# Altium PCB pcb.PcbDoc
Units mil, origin at the board's own origin, x right, y up, seen from the top; angles counter-clockwise.
Board outline 3549.24 x 3549.24 mil, 2 copper layers (Top Layer, Bottom Layer), stack 62.205 mil thick; 87 components, 75 nets, 293 pads, 45 vias.
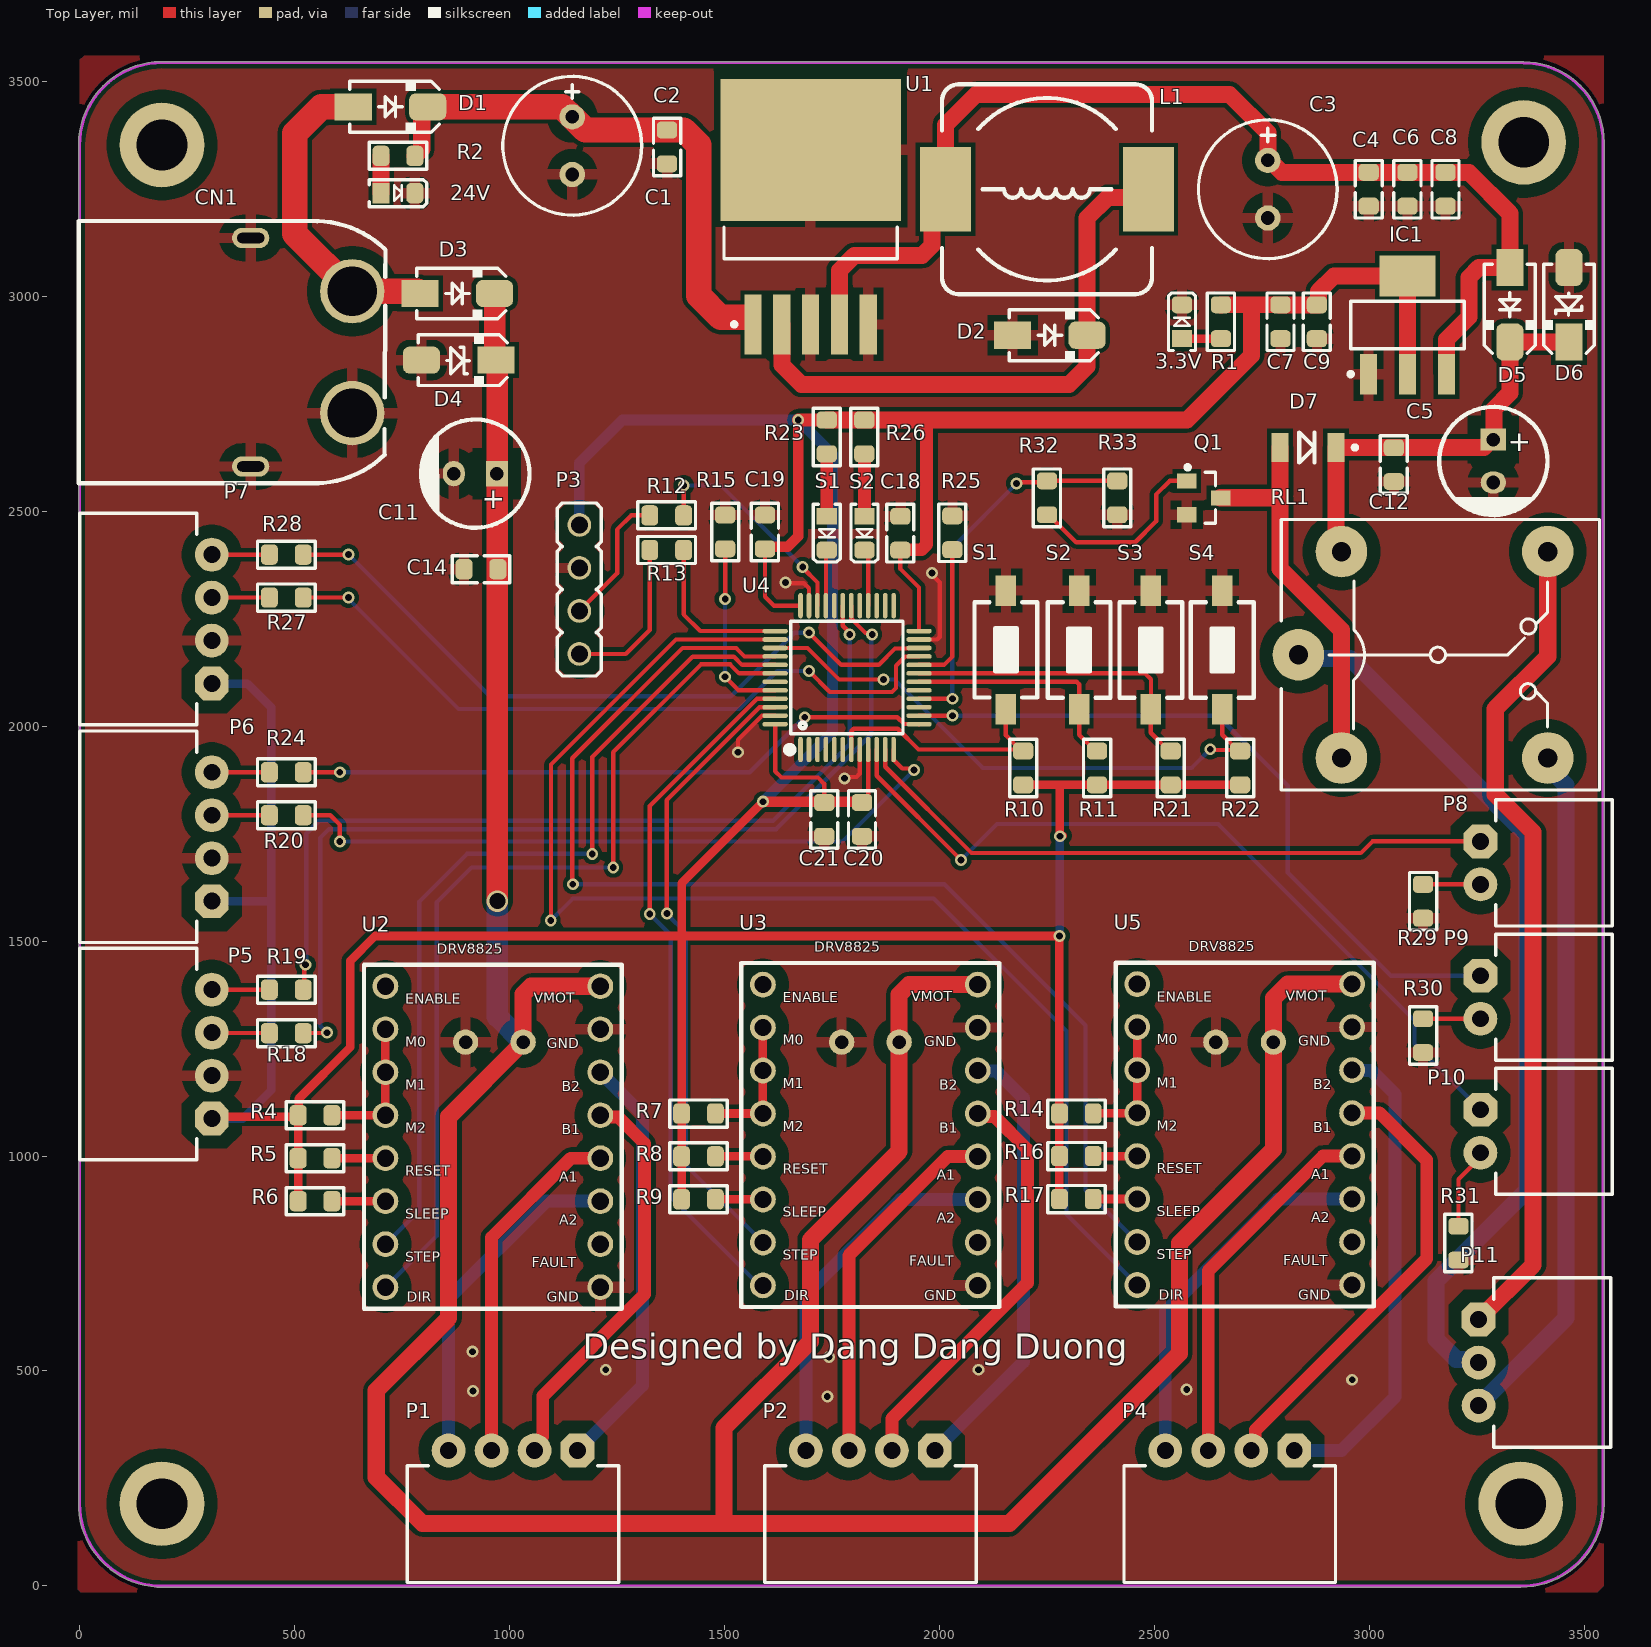
[diagram p0: Top Layer view]
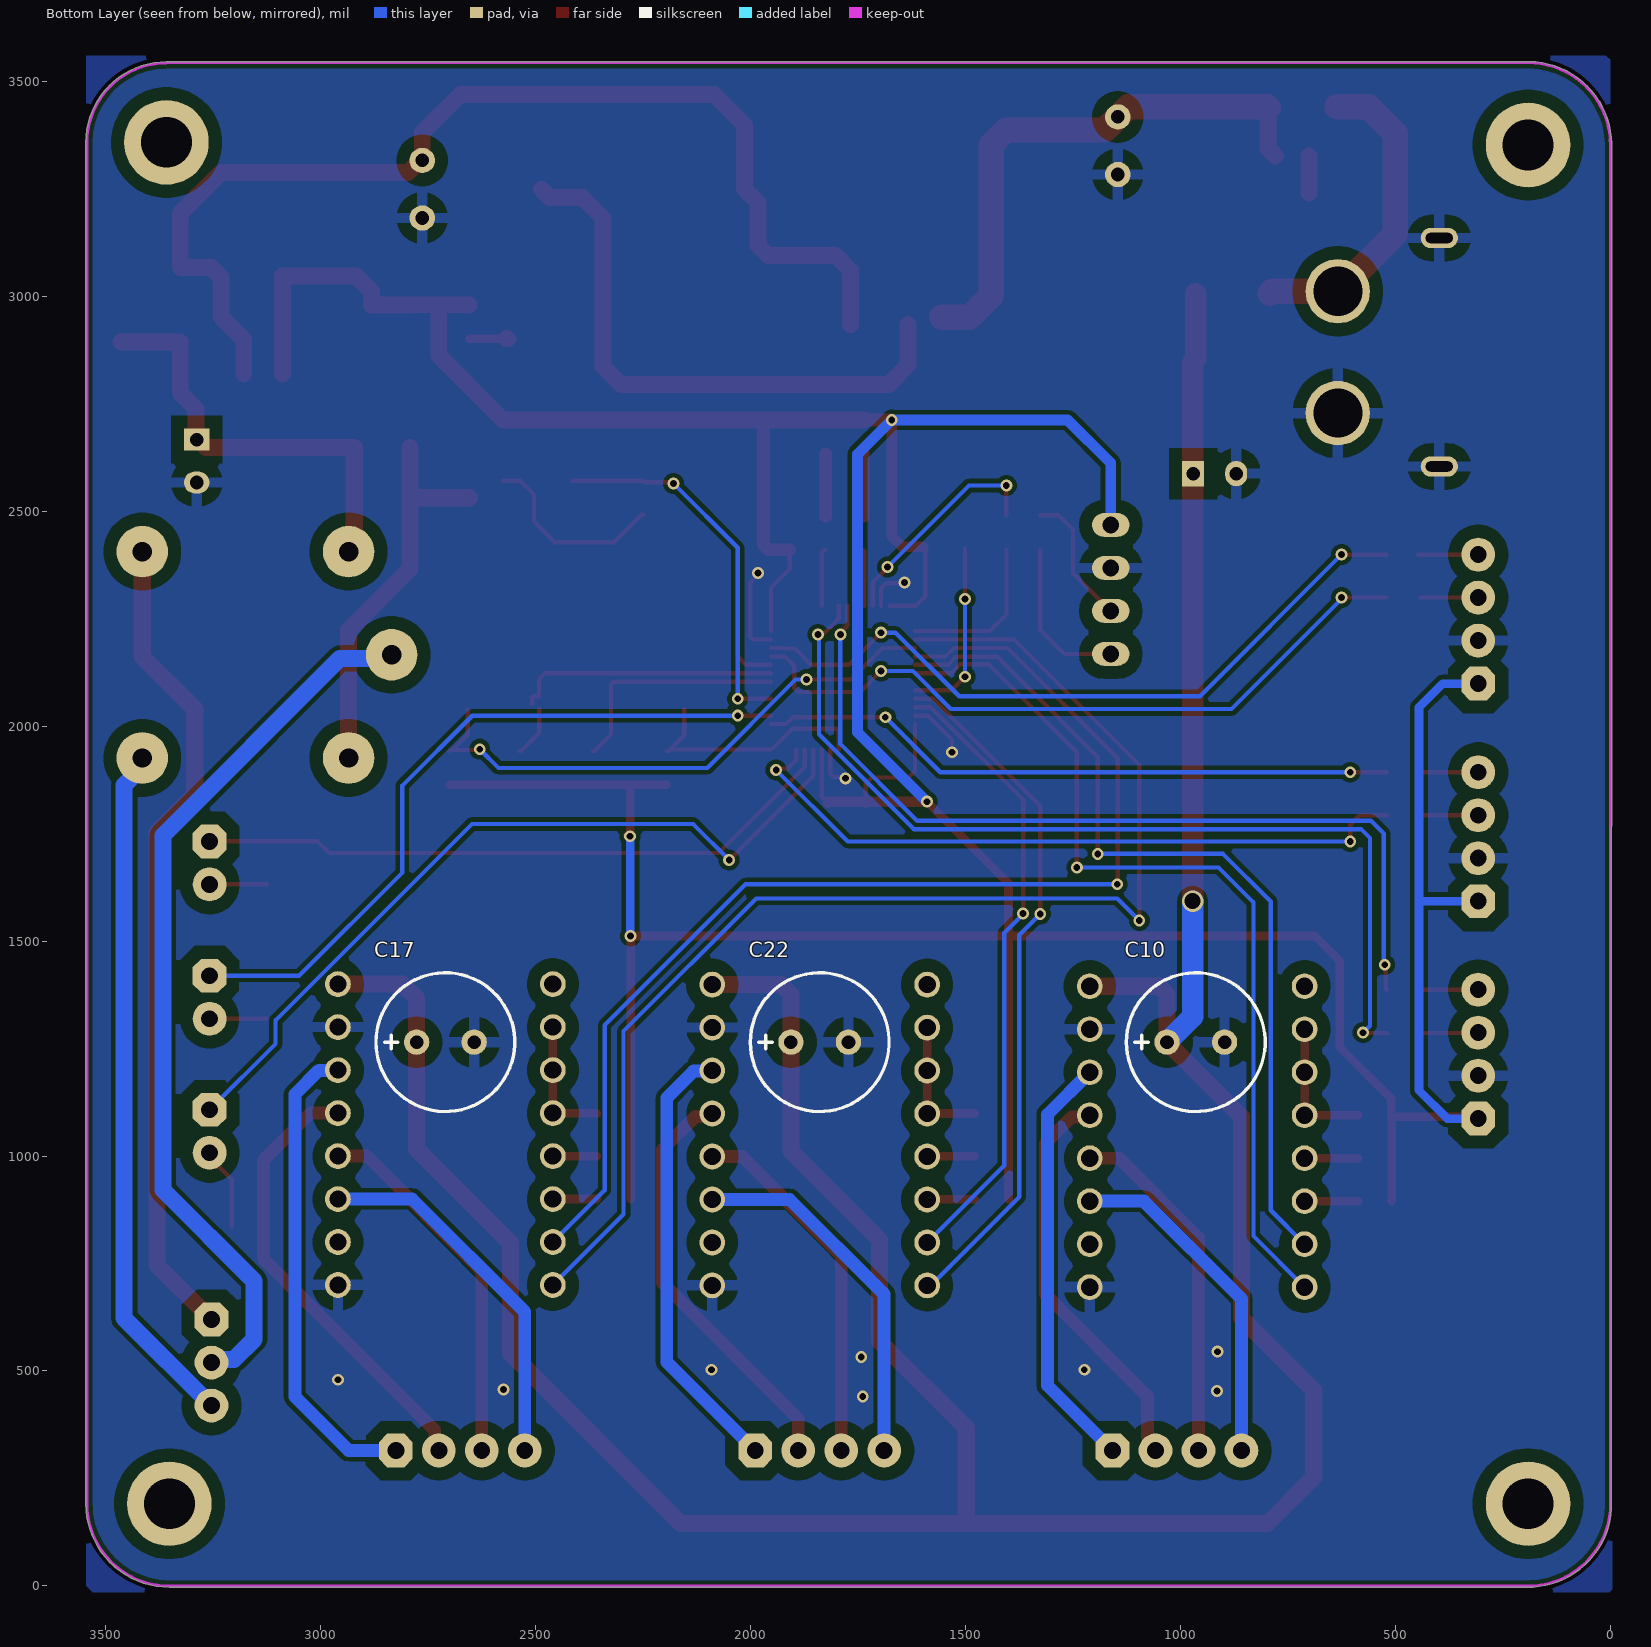
[diagram p1: Bottom Layer view, seen from below]

## Layer stack, top to bottom
Top Solder: solder mask 0.3937, Solder Resist, Dk 3.5
Top Layer: signal copper 1.378
Dielectric 1: dielectric 59.4488, FR-4, Dk 4.8
Bottom Layer: signal copper 1.378
Bottom Solder: solder mask 0.3937, Solder Resist, Dk 3.5

## Board outline
-2.69,179.85 ccw(c191.14,191.19) 179.76,-2.64 181.1,-2.97 3352.11,-2.97 ccw(c3352.11,191.2) 3546.27,191.2 3546.27,3358.27 ccw(c3359.01,3358.27) 3359.01,3545.54 191.25,3546.27 188.66,3546.26 ccw(c191.2,3352.11) -2.95,3354.64 -2.97,3354.33

## Design rules (kind name [scope] priority, off if disabled: settings)
Clearance [All] p1: gap=10 ignorepadtopadclearanceinfootprint=TRUE except(8: Track-Track Track-SMDPad Track-THPad; 30: THPad-Poly)
Height [All] p1: minheight=0 maxheight=1574.8 prefheight=500
HoleSize [All] p1: absolutevalues=TRUE maxlimit=236.22 minlimit=3.94 maxpercent=80.000 minpercent=20.000
MinimumSolderMaskSliver [All] p1: minsoldermaskwidth=1
PlaneConnect [All] p1: planeconnectstyle=Relief reliefexpansion=20 reliefentries=4 reliefconductorwidth=35 reliefairgap=10
PolygonConnect [All] p1: thpad.connectstyle=Relief thpad.reliefconductorwidth=25 thpad.reliefentries=4 thpad.polygonreliefangle="90 Angle" thpad.airgapwidth=30 smdpad.connectstyle=Relief smdpad.reliefconductorwidth=25 smdpad.reliefentries=4 smdpad.polygonreliefangle="90 Angle" smdpad.airgapwidth=15 via.connectstyle=Relief via.reliefconductorwidth=25 via.reliefentries=4 via.polygonreliefangle="90 Angle" via.airgapwidth=15
RoutingVias [All] p1: holewidth=15.75 width=27.56 viastyle="Through Hole" minholewidth=11.81 minwidth=23.62 maxholewidth=39.37 maxwidth=98.43
SilkToSilkClearance [All] p1: silktosilkclearance=1
SilkToSolderMaskClearance [IsPad] p1: minsilkscreentomaskgap=0 clearancetoexposedcopper=TRUE
SolderMaskExpansion [All] p1: expansion=4 istentingtop=FALSE
SupplyNets "Schematic Supply Nets_6" [InNet('3.3V')] p1: voltage=0.000
SupplyNets "Schematic Supply Nets_4" [InNet('GND')] p2: voltage=0.000
SupplyNets "Schematic Supply Nets_3" [InNet('5VS')] p3: voltage=0.000
SupplyNets "Schematic Supply Nets_2" [InNet('24VM')] p4: voltage=0.000
SupplyNets "Schematic Supply Nets_1" [InNet('5V')] p5: voltage=0.000
SupplyNets "Schematic Supply Nets" [InNet('24V')] p6: voltage=0.000
UnRoutedNet [All] p1: checkbadconnections=TRUE
Width [All] p1: maxlimit=100 minlimit=10 preferedwidth=20
23 further rules are at their usual default settings.

## Components (designator, comment, footprint, x,y, rotation, side; value= is the part's Value field where it differs from the comment)
3.3V "LED BLUE" "LED 0805 Blue" 2564.17,2940.94 r90 top
24V "LED RED" "LED 0805 Red" 740.16,3240.16 r0 top
C1 "470uF/35V" C8X12mm 1145.67,3350.39 r270 top
C2 "104" C_0805_SMD 1366.14,3347.64 r90 top
C3 "220uF/35V" C8X12mm 2763.78,3249.21 r270 top
C4 "104" C_0805_SMD 2998.46,3249.21 r90 top
C5 "100uF/35V" C_6.3x12 3288.53,2616.93 r270 top
C6 "104" C_0805_SMD 3088.58,3249.21 r90 top
C7 "104" C_0805_SMD 2793.3,2940.94 r90 top
C8 "10uF/25V" C_0805_SMD 3177.17,3249.21 r90 top
C9 "10uF/25V" C_0805_SMD 2877.95,2940.94 r90 top
C10 "470uF/35V" C8X12mm 964.29,1265 r180 bottom
C11 "100uF/35V" C_6.3x12 920.17,2587.63 r180 top
C12 "104" C_0805_SMD 3057.09,2608.48 r270 top
C14 "104" C_0805_SMD 933.15,2365.21 r180 top
C17 "470uF/35V" C8X12mm 2710,1265 r180 bottom
C18 "104" C_0805_SMD 1909.02,2449.05 r270 top
C19 "104" C_0805_SMD 1593.95,2451.99 r270 top
C20 "104" C_0805_SMD 1819.74,1783.23 r90 top
C21 "104" C_0805_SMD 1731.95,1783.23 r90 top
C22 "470uF/35V" C8X12mm 1839.13,1265 r180 bottom
CN1 "XT60PW-M" CONN-TH_XT60PW-M 354.32,2870.08 r0 top
D1 "SS34" D_SMA 722.68,3440.94 r0 top
D2 "SS34" D_SMA 2256.65,2909.58 r0 top
D3 "SS34" D_SMA 878.22,3006.55 r0 top
D4 "SMAJ24A" DO_241AC_SMA_MFG 881.45,2851.65 r180 top
D5 "SS34" D_SMA 3326.77,2980.45 r270 top
D6 "SMAJ24A" DO_241AC_SMA_MFG 3464.57,2980.32 r90 top
D7 "LL4148" SOD80C_MFG 2857.21,2648.43 r180 top
IC1 "AMS1117" SOT223-4N 3088.58,2933.2 r90 top
L1 "68uH" CDRH127 2250.15,3249.21 r180 top
P1 "XH2.54 4P" XH2.54_4P_RA 1007.99,314.96 r180 top
P2 "XH2.54 4P" XH2.54_4P_RA 1839.13,314.96 r180 top
P3 "HDR-M-4P" HDR_M_1X4 1162.08,2318.11 r90 top
P4 "XH2.54 4P" XH2.54_4P_RA 2675.31,314.96 r180 top
P5 "XH2.54 4P" XH2.54_4P_RA 307.09,1237.11 r90 top
P6 "XH2.54 4P" XH2.54_4P_RA 307.09,1742.91 r90 top
P7 "XH2.54 4P" XH2.54_4P_RA 307.09,2249.21 r90 top
P8 "XH2.54 2P" XH2.54_2P_RA 3258.41,1632.09 r270 top
P9 "XH2.54 2P" XH2.54_2P_RA 3258.41,1319.49 r270 top
P10 "XH2.54 2P" XH2.54_2P_RA 3258.41,1007.71 r270 top
P11 "XH2.54 3P" XH2.54_3P_RA 3254.15,519.62 r270 top
Q1 "S8050" "SOT23_N NXP" 2614.66,2531.33 r0 top
R1 "2.2k" RES-SMD-0805 2654.72,2940.94 r90 top
R2 "10K" RES-SMD-0805 740.16,3326.77 r180 top
R4 "470R" RES-SMD-0805 547.37,1095.01 r180 top
R5 "10K" RES-SMD-0805 547.37,995.01 r180 top
R6 "10K" RES-SMD-0805 547.37,895.01 r180 top
R7 "470R" RES-SMD-0805 1439.37,1098.96 r180 top
R8 "10K" RES-SMD-0805 1439.37,999.28 r180 top
R9 "10K" RES-SMD-0805 1439.37,899.28 r180 top
R10 "4.7K" RES-SMD-0805 2194.81,1902.99 r90 top
R11 "4.7K" RES-SMD-0805 2366.63,1902.99 r90 top
R12 "47R" RES-SMD-0805 1365.36,2490.47 r0 top
R13 "47R" RES-SMD-0805 1365.36,2409.95 r0 top
R14 "470R" RES-SMD-0805 2318.43,1098.96 r180 top
R15 "4.7K" RES-SMD-0805 1501.36,2451.99 r270 top
R16 "10K" RES-SMD-0805 2318.43,1000 r180 top
R17 "10K" RES-SMD-0805 2318.43,900 r180 top
R18 "47R" RES-SMD-0805 480.44,1285.87 r0 top
R19 "47R" RES-SMD-0805 480.44,1387.11 r0 top
R20 "47R" RES-SMD-0805 480.44,1792.91 r0 top
R21 "4.7K" RES-SMD-0805 2538,1902.99 r90 top
R22 "4.7K" RES-SMD-0805 2699.57,1903 r90 top
R23 "2.2k" RES-SMD-0805 1737.74,2673.11 r270 top
R24 "47R" RES-SMD-0805 480.44,1892.91 r0 top
R25 "4.7K" RES-SMD-0805 2030,2450 r270 top
R26 "2.2k" RES-SMD-0805 1825,2673.11 r270 top
R27 "47R" RES-SMD-0805 480.44,2299.21 r0 top
R28 "47R" RES-SMD-0805 480.44,2399.21 r0 top
R29 "10K" RES-SMD-0805 3125.06,1592.72 r270 top
R30 "10K" RES-SMD-0805 3125.06,1280.12 r270 top
R31 "10K" RES-SMD-0805 3207.33,797.34 r270 top
R32 "2.2k" RES-SMD-0805 2250,2531.33 r90 top
R33 "10K" RES-SMD-0805 2413.54,2531.33 r90 top
RL1 "Relay 10A/24V" "Relay 5 pin 10A" 3125.07,2166.14 r180 top
S1 "SW-SMD" "SW-SMD 3x6 mm" 2154.47,2177.72 r90 top
S1 "LED GREEN" "LED 0805 Green" 1737.74,2449.05 r270 top
S2 "SW-SMD" "SW-SMD 3x6 mm" 2324.87,2177.17 r90 top
S2 "LED GREEN" "LED 0805 Green" 1825.53,2449.05 r270 top
S3 "SW-SMD" "SW-SMD 3x6 mm" 2491.56,2177.17 r90 top
S4 "SW-SMD" "SW-SMD 3x6 mm" 2657.81,2177.17 r90 top
U1 "LM2596HVS-5.0" TO-263-5 1700.21,3137.64 r0 top
U2 "DRV8825" DRV8825 960.98,1062.51 r0 top
U3 "DRV8825" DRV8825 1839.13,1066.46 r0 top
U4 "STM32F103C8T6" LQFP-48_L7.0-W7.0-P0.50-LS9.0-BL 1785,2113.11 r0 top
U5 "DRV8825" DRV8825 2710,1067.5 r0 top

## Footprints (in the part's own frame and the unit in brackets; to place one, negate y for a bottom-side part, rotate by r counter-clockwise, add the part's x,y. Pads: shape width x height; smd on the part's side, far side on the other; paste and mask are expansions set on the pad)
C8X12mm [mm] "Cap Elec, D8.0X12.0H pitch: 3.5mm, RB.14/.26, RB.15/.32"
  round 1.5 hole 0.8: 1(-1.7,0) 2(1.7,0)
  silkscreen extent -4.1,-4.1 4.1,4.1, body extent -3.99,-3.99 4,3.99, height 12.3
C_6.3x12 [mm] "pitch 2.5mm"
  rect 1.3x1.5 hole 0.8: 1(-1.27,0)
  oval 1.3x1.5 hole 0.8: 2(1.27,0)
  silkscreen extent -3.2,-3.2 3.2,3.2, body extent -3.15,-3.15 3.15,3.15, height 12.05
C_0805_SMD [mm]
  rrect50% 1x1.2 smd: 1(-1,0) 2(1,0)
  Top Layer pour cut-out: -0.5,0.8 0.5,0.8 0.5,-0.8 -0.5,-0.8
  silkscreen extent -1.7,-0.8 1.7,0.8, body extent -1,-0.63 1,0.62, height 1
CDRH127 [mm] "12*12*8mm"
  rect 3x5 smd: 1(-6,0) 2(6,0)
  silkscreen extent -6.2,-6.2 6.2,6.2, body extent -6,-6 6,6, height 7.8
CONN-TH_XT60PW-M [mm]
  round 3.8 hole 2.9 paste-2539.97 mask+0.05: 1(7.1,-3.6) 2(7.1,3.6)
  oval 2.2x1.2 hole 0.6 slot 1.6 at 0 deg paste-2539.97 mask+0.05: 3(1.1,6.75) 4(1.1,-6.75)
  silkscreen extent -9.07,-7.75 9.07,7.75, body extent -9.25,-7.75 8.95,7.75, height 8.4
D_SMA [mm] "SMA Molded Diode, 2-Leads, Body 4.3x2.7mm, SOD-128"
  rect 2.2x1.6 smd: 1(-2.2,0)
  rrect50% 2.2x1.6 smd: 2(2.2,0)
  silkscreen extent -2.4,-1.5 2.88,1.5, body extent -2.75,-1.4 2.75,1.4, height 2.6
DO_241AC_SMA_MFG [mm]
  rect 2.2x1.6 smd: 1(-2.2,0)
  rrect50% 2.2x1.6 smd: 2(2.2,0)
  silkscreen extent -2.88,-1.5 2.4,1.5, body extent -2.54,-1.29 2.54,1.29, height 2.65
DRV8825 [mil]
  round 60 hole 40 paste-99999 mask+10: 1(-250,332.5) 2(-250,232.5) 3(-250,132.5) 4(-250,32.5) 5(-250,-67.5) 6(-250,-167.5) 7(-250,-267.5) 8(-250,-367.5) 9(250,-367.5) 10(250,-267.5) 11(250,-167.5) 12(250,-67.5) 13(250,32.5) 14(250,132.5) 15(250,232.5) 16(250,332.5)
  silkscreen extent -300,-418 300,382
HDR_M_1X4 [mm] "Connector; Header; 2 Position"
  round 1.4 / inner round 1.4 / far side oval 1.4x2.2 hole 1 mask+0.1: 1(-3.81,0) 2(-1.27,0) 3(1.27,0) 4(3.81,0)
  silkscreen extent -5.11,-1.3 5.11,1.3, body extent -5.08,-1.25 4.98,1.25, height 8.72
"LED 0805 Blue" [mm]
  rect 1x1.2 smd: 1(-1,0)
  rrect50% 1x1.2 smd: 2(1,0)
  silkscreen extent -1.7,-0.8 1.7,0.8, body extent -1,-0.63 1,0.63, height 0.9
"LED 0805 Green" [mm]
  rect 1x1.2 smd: 1(-1,0)
  rrect50% 1x1.2 smd: 2(1,0)
  silkscreen extent -1.7,-0.8 1.7,0.8, body extent -1,-0.63 1,0.63, height 0.9
"LED 0805 Red" [mm]
  rect 1x1.2 smd: 1(-1,0)
  rrect50% 1x1.2 smd: 2(1,0)
  silkscreen extent -1.7,-0.8 1.7,0.8, body extent -1,-0.63 1,0.63, height 0.9
LQFP-48_L7.0-W7.0-P0.50-LS9.0-BL [mm]
  oval 0.27x1.5 smd paste+0 mask+0.05: 1(-2.75,-4.25) 2(-2.25,-4.25) 3(-1.75,-4.25) 4(-1.25,-4.25) 5(-0.75,-4.25) 6(-0.25,-4.25) 7(0.25,-4.25) 8(0.75,-4.25) 9(1.25,-4.25) 10(1.75,-4.25) 11(2.25,-4.25) 12(2.75,-4.25) 25(2.75,4.25) 26(2.25,4.25) 27(1.75,4.25) 28(1.25,4.25) 29(0.75,4.25) 30(0.25,4.25) 31(-0.25,4.25) 32(-0.75,4.25) 33(-1.25,4.25) 34(-1.75,4.25) 35(-2.25,4.25) 36(-2.75,4.25)
  oval 1.5x0.27 smd paste+0 mask+0.05: 13(4.25,-2.75) 14(4.25,-2.25) 15(4.25,-1.75) 16(4.25,-1.25) 17(4.25,-0.75) 18(4.25,-0.25) 19(4.25,0.25) 20(4.25,0.75) 21(4.25,1.25) 22(4.25,1.75) 23(4.25,2.25) 24(4.25,2.75) 37(-4.25,2.75) 38(-4.25,2.25) 39(-4.25,1.75) 40(-4.25,1.25) 41(-4.25,0.75) 42(-4.25,0.25) 43(-4.25,-0.25) 44(-4.25,-0.75) 45(-4.25,-1.25) 46(-4.25,-1.75) 47(-4.25,-2.25) 48(-4.25,-2.75)
  silkscreen extent -3.59,-4.46 3.3,3.34, body extent -4.5,-4.5 4.5,4.5, height 1.6
"Relay 5 pin 10A" [mil] "Relay SPDT, 5 pin, 10A,W 650mil, L 800mil, H 800mil"
  round 120 hole 45: 1(290,0) 2(-290,-240) 3(-290,240) 4(190,240) 5(190,-240)
  silkscreen extent -410,-315 330,315, body extent -414,-295 334,295, height 595
RES-SMD-0805 [mm]
  rrect50% 1x1.2 smd paste-0.1 mask+0.075: 1(-1,0) 2(1,0)
  Top Layer pour cut-out: -0.5,0.697 0.5,0.697 0.5,-0.713 -0.5,-0.713
  silkscreen extent -1.7,-0.8 1.7,0.8, body extent -1.15,-0.67 1.15,0.67, height 0.76
SOD80C_MFG [mm]
  rect 1x1.7 smd: 1(-1.65,0) 2(1.65,0)
  silkscreen extent -2.9,-0.89 0.51,0.89, body extent -1.75,-0.8 1.75,0.8, height 1.6
"SOT23_N NXP" [mil] "SOT23, 3-Leads, Body 3x1.4mm, Pitch 0.95mm, IPC Medium Density"
  rect 45x35 smd: 1(-39.37,39.37) 2(-39.37,-39.37) 3(39.37,0)
  silkscreen extent -42,-59 28,76, body extent -50,-59 50,59, height 39
SOT223-4N [mm] "SOT223, 4-Leads, Body 6.5x3.5mm, Pitch 2.3mm, Lead Span 7mm, IPC Medium Density"
  rect 2.4x1 smd: 1(-2.9,2.3) 2(-2.9,0) 3(-2.9,-2.3)
  rect 2.4x3.3 smd: 4(2.9,0)
  silkscreen extent -3.02,-3.35 1.4,3.47, body extent -3.39,-3.27 3.5,3.23, height 1.72
"SW-SMD 3x6 mm" [mm] "Switch SMD type"
  rect 1.8x1.2 smd: 1(-3.5,0) 2(3.5,0)
  silkscreen extent -2.82,-1.85 2.82,1.85, body extent -3.05,-1.85 3.05,1.85, height 2.5
TO-263-5 [mil]
  rect 40x140 smd paste+0 mask+0: 1(-134.02,-202.85) 2(-67.01,-202.85) 3(0,-202.85) 4(67.01,-202.85) 5(134.02,-202.85)
  rect 419.69x329.92 smd paste+0 mask+0: 3(0,202.85)
  silkscreen extent -201,-208 201,23, body extent -193,-231 193,343, height 166
XH2.54_2P_RA [mm]
  oct 2x2 hole 1: 1(-2.54,0)
  round 2 hole 1: 2(0,0)
  silkscreen extent -5,0.9 2.46,7.8, body extent -4.88,-0.34 2.34,7.7, height 5.84
XH2.54_3P_RA [mm]
  oct 2x2 hole 1: 1(-2.54,0)
  round 2 hole 1: 2(0,0) 3(2.54,0)
  silkscreen extent -5,0.9 5,7.8, body extent -4.88,-0.34 4.88,7.7, height 5.84
XH2.54_4P_RA [mm]
  oct 2x2 hole 1: 1(-3.81,0)
  round 2 hole 1: 2(-1.27,0) 3(1.27,0) 4(3.81,0)
  silkscreen extent -6.25,0.9 6.25,7.8, body extent -6.15,-0.34 6.15,7.7, height 5.84

## Part data
3.3V: library part "LED 0805 BLUE", "LED 0805 SMD BLUE", Code=8600-019, Designed by=TranLuyen
24V: library part "LED 0805 RED", "LED 0805 SMD RED", Code=8600-017, Designed by=TranLuyen
C1 C10 C17 C22: library part "Cap Pol 470uF/35V", "Polarized Capacitor (Axial) 470uF 35V", Code=1402-231
C2 C4 C6 C7 C12 C14 C18 C19 C20 C21: library part "Cap 0805 104 100nF", "Cap SMD 0805 104-100nF-0.1uF 50V", Code=1438-080
C3: library part "Cap Pol 220uF/35V", "Polarized Capacitor (Axial) 220uF 35V", Code=1402-228
C5 C11: library part "Cap Pol 100uF/35V", "Polarized Capacitor (Axial) 100uF 35V", Code=1402-225
C8 C9: library part "Cap 0805 10uF 25V", "Cap SMD 0805 10uF", Code=1436-100
D1 D2 D3 D5: library part SS34-SMA, "Surface-Mount Schottky Barrier Rectifier", Code=2005-008
D4 D6: library part "TVS SMAJ24A-DO241AC", "SMAJ Series 400W Surface Mount Uni-Directional TVS Diode - DO-214AC", Code=N/A, Designed by=TranLuyen
D7: "0.2A, 100V, SOD80", Code=2001-012, Designed by=Nhox
IC1: library part "AMS1117-3.3V SOT223", "SOT-223", Code=5102-034
L1: library part "IND CDRH127 1280-680 68uH", "CDRH127 Cuộn Cảm Dán SMD 1280-680 68uH 3.2A", Code=1522-003
P1 P2 P4 P5 P6 P7: library part XH2.54_4P_RA, "XH2.54 RA", Code=3509-012
P3: library part "HDR 2.54 M 4 Pin", "HDR 2.54 MALE", Code="3504-028 * 0.1"
P8 P9 P10: library part XH2.54_2P_RA, "XH2.54 RA", Code=3509-010
P11: library part XH2.54_3P_RA, "XH2.54 RA", Code=3509-011, Designed by=Nhox
Q1: library part "S8050 SOT-23", "J3Y-NPN SMD Transistor SOT23", Code=1701-070
R1 R23 R26 R32: library part "Res 2.2K 0805", "Resistor SMD 0805", Code=1024-094
R2 R5 R6 R8 R9 R16 R17 R29 R30 R31 R33: library part "Res 10k 0805", "Resistor SMD 0805", Code=1024-111
R4 R7 R14: library part "Res 470R 0805", "Resistor SMD 0805", Code=1024-078
R10 R11 R15 R21 R22 R25: library part "Res 4.7k 0805", "Resistor SMD 0805", Code=1024-103
R12 R13 R18 R19 R20 R24 R27 R28: library part "Res 47R 0805", "Resistor SMD 0805", Code=N/A, Designed by=Nhox
RL1: library part "Relay 24V 5 Pin 10A SLC", "Relay SPDT,10A - 24VDC 5 Pin SONGLE SLC", Code=2404-012
S1 S2 S3 S4: library part "SW2 SMD 3x6", "Button 3x6 mm x 2.5mm 2Pin SMD", Code=3606-006
S1 S2: library part "LED 0805 GREEN", "LED 0805 SMD GREEN", Code=8600-027, Designed by=TranLuyen
U1: "Vin 4.5-40VDC, Vout 5VDC, Iout MAX 3A", Code=5101-052

## Free pads (board coordinates)
  round 196.85 hole 118.11: 14(191.14,191.19) 14(191.2,3352.11) 14(3352.11,191.2) 14(3359.01,3358.27)

## Via types
v1: diameter 27.56, hole 15.75, Top Layer to Bottom Layer, tented both sides, 41 vias
v2: diameter 27.56, hole 15.75, Top Layer to Bottom Layer, 3 vias
v3: diameter 50, hole 37, Top Layer to Bottom Layer, tented both sides, 1 vias

## Nets (pads, with @x,y where several pads share a name; then routed paths per layer and width w, separated by ;. In a path a pad name is that pad's centre, name@x,y a point inside that pad or via, vN(x,y) a via of type N, cw(c..) or ccw(c..) an arc to the next point about the centre after c; other vN are vias at no path point)
3.3V: C7.2 C9.2 C18.2 C19.2 C20.2 C21.2 IC1.2 IC1.4 P3.4 P5.1 P6.1 P7.1 R1.2 R4.2 R5.2 R6.2 R7.2 R8.2 R9.2 R10.1 R11.1 R14.2 R16.2 R17.2 R21.1 R22.1 R23.1 R26.1 U4.9 U4.24 U4.36 U4.48 | length 11716.8
  Top Layer w10: C19.2@1598.63,2417.3 C19.2 1593.95,2301.38 1614.9,2280.43 U4.36 ; U4.48 1617.68,1895.16 1632.33,1880.51 1717.31,1880.51 1731.95,1865.87 1731.95,1824.51 C21.2 ; C20.2 1819.89,1822.6 1834.21,1836.91 U4.9 ; C18.2 1909.02,2365.98 1952.32,2322.68 U4.24
  Top Layer w20: P5.1 311.03,1091.06 504.05,1091.06 R4.2 ; R6.2 R5.2 R4.2 ; R9.2 R8.2 R7.2 1400,1512.05 ; v1@1590.2,1825 v1(1589.71,1824.51) 1400,1634.8 1400,1512.05 ; R10.1 2274.33,1863.63 ; R17.2 R16.2 R14.2 v1(2279.06,1512.05) 1400,1512.05 ; v1@2287.19,1745.3 2281.67,1745.3 v1(2280.22,1743.86) 2280.22,1857.74 2274.33,1863.63 ; R22.1 2274.33,1863.63 ; R4.2 509.5,1096.51 509.5,1133.46 629.6,1253.55 629.6,1454.6 687.05,1512.05 1400,1512.05
  Top Layer w25: v1(1589.71,1824.51) 1730.04,1824.51 C21.2 ; C19.2@1598.63,2417.3 1646.76,2417.3 1671.41,2441.95 v1(1671.41,2712.48) ; C21.2@1731.95,1824.51 1817.82,1824.51 C20.2
  Top Layer w30: v1(1671.41,2712.48) R23.1 ; C18.2 1909.95,2410.62 1958.28,2410.62 1970,2422.34 1970,2712.48
  Top Layer w39.37: R23.1 R26.1 1970,2712.48 2575.98,2712.48 2725.48,2861.98 2725.48,2980.45 ; R1.2 2654.85,2980.45 2725.48,2980.45 ; IC1.2 IC1.4 2917.45,3047.37 2881.89,3011.81 2881.89,2980.32 C9.2 C7.2 2791.4,2980.32 2791.27,2980.45 2725.48,2980.45
  Bottom Layer w20: P5.1 379.37,1087.11 445,1152.74 445,1592.91 ; P6.1 445,1592.91 ; P7.1 389.81,2099.21 445,2044.03 445,1592.91 ; v1(2279.06,1512.05) 2279.64,1512.63 2279.64,1743.28 v1(2280.22,1743.86)
  Bottom Layer w25: P3.4 1162.08,2612.08 1262.48,2712.48 v1(1671.41,2712.48) 1751.33,2632.56 1751.33,1986.12 v1@1590.2,1825
5V: C3.1 C4.2 C6.2 C8.2 D5.1 IC1.3 L1.2 U1.4 | length 2631.5
  Top Layer w39.37: U1.4 1767.21,3060.41 1801.81,3095 1959.76,3095 1982.83,3118.06 1982.83,3218.11 L1.2 2013.93,3398.93 2085,3470 2674.88,3470 2763.77,3381.1 C3.1 2769.1,3316.14 2796.66,3288.58 C4.2 C6.2 C8.2 3231.5,3288.58 3326.77,3193.31 D5.1 3254.57,3067.06 3231.5,3044 3231.5,2951.98 3179.13,2899.61 IC1.3
5VS: C5.1 C12.1 D5.2 D6.1 D7.1 RL1.5 | length 1001.7
  Top Layer w39.37: RL1.5@2922.17,2419.03 RL1.5 ; C5.1@3289.77,2666.93 3289.77,2737.97 3326.77,2774.97 D5.2 3326.84,2893.77 3464.5,2893.77 D6.1
  Top Layer w40: RL1.5@2922.17,2419.03 D7.1 3266.09,2648.43 3284.6,2666.93 C5.1
24V: CN1.2 D1.1 D3.1 | length 744.3
  Top Layer w59.06: D1.1 561.8,3440.94 500.12,3379.27 500.12,3145.55 CN1.2 786.35,3011.81 D3.1
24VM: C10.1 C11.1 C14.1 C17.1 C22.1 D3.2 D4.1 U2.16 U3.16 U5.16 | length 8004.2
  Top Layer w40: U2.16 1050.01,1395.01 1031.22,1376.22 C10.1 857.99,1091.77 857.99,622.99 689.77,454.77 689.77,252.51 797.19,145.08 1498.43,145.08 ; U3.16 1929.19,1398.96 1906.06,1375.83 C22.1 1906.06,1011.01 1700,804.95 1700,568.75 1498.43,367.18 1498.43,145.08 ; U5.16 2810,1400 2776.93,1366.93 C17.1 2776.93,1015.88 2558.17,797.13 2558.17,541.01 2162.24,145.08 1498.43,145.08
  Top Layer w50: D3.2 964.84,2854.87 971.69,2848.02 v3(971.69,1592.91)
  Bottom Layer w50: v3(971.69,1592.91) 971.69,1324.52 C10.1
CLK: R13.2 U4.37 | length 378.8
  Top Layer w10: R13.2 1404.74,2260.24 1443.59,2221.38 U4.37
DIO: R12.2 U4.34 | length 528.9
  Top Layer w10: R12.2 1404.87,2490.6 1404.87,2559.87 v1(1405,2560) ; v1(1681.69,2370.15) 1681.69,2368.67 1716.1,2334.26 U4.34
  Bottom Layer w10: v1(1405,2560) 1491.84,2560 v1(1681.69,2370.15)
DIR1: U2.8 U4.42 | length 2127.2
  Top Layer w10: v1(1240.98,1671.53) 1240.98,1939.73 1445.14,2143.89 1512.97,2143.89 1533.9,2122.95 U4.42
  Bottom Layer w10: U2.8 830.15,814.17 830.15,1590.15 911.53,1671.53 v1(1240.98,1671.53)
DIR2: U3.8 U4.45 | length 1624.1
  Top Layer w10: v1(1326,1563.39) 1326,1814.18 1575.6,2063.78 1617.56,2063.78 U4.45
  Bottom Layer w10: v1(1326,1563.39) 1375,1514.38 1375,905 1581.04,698.96 U3.8
DIR3: U4.38 U5.8 | length 3012.9
  Top Layer w10: v1(1095.65,1547.98) 1096.05,1548.38 1096.05,1910.72 1387.03,2201.69 U4.38
  Bottom Layer w10: v1(1095.65,1547.98) 1147.04,1599.37 1986.87,1599.37 2295.51,1290.72 2295.51,864.49 U5.8
ENDX: P8.1 U4.11 | length 1519.3
  Top Layer w10: U4.11 1873.7,1945.67 1873.7,1905.57 2074.26,1705 2980.37,1705 3007.46,1732.09 P8.1
ENDY: P9.1 U4.14 | length 1675.1
  Top Layer w10: U4.14 v1(2030,2024.53)
  Bottom Layer w10: v1(2030,2024.53) 2647.46,2024.53 2810.12,1861.86 2810.12,1659.73 3050.36,1419.49 P9.1
ENDZ: P10.1 U4.10 | length 1889
  Top Layer w10: U4.10 1853.9,1884.66 v2(2049.81,1688.75)
  Bottom Layer w10: v2(2049.81,1688.75) 2133.7,1772.64 2648.17,1772.64 3105.11,1315.7 3105.11,1261.01 P10.1
GND: 3.3V.2 24V.2 C1.2 C2.1 C3.2 C4.1 C5.2 C6.1 C7.1 C8.1 C9.1 C10.2 C11.2 C12.2 C14.2 C17.2 C18.1 C19.1 C20.1 C21.1 C22.2 CN1.1 CN1.3 CN1.4 D2.1 D4.2 D6.2 IC1.1 P3.3 P5.2 P6.2 P7.2 Q1.2 R15.1 R25.1 R29.2 R30.2 R31.2 R33.1 S1.2@2154.47,2315.52 S2.2@2324.87,2314.96 S3.2 S4.2 U1.3 U1.5 U2.9 U2.15 U3.9 U3.15 U4.8 U4.23 U4.35 U4.47 U5.9 U5.15 | length 542.5
  Top Layer w10: v1(1531.44,1939.57) 1531.44,1968.71 1587.14,2024.41 1617.56,2024.41 U4.47 ; v1@1643.34,2332.82 1684.35,2332.82 1696.42,2320.74 U4.35 ; v1(1779.14,1878.71) 1782.5,1882.07 1806.76,1882.07 1814.53,1889.85 U4.8 ; U4.23 1994.9,2201.69 2000.76,2207.54 2000.76,2334.23 1982.51,2352.49 v1(1982.51,2356.68)
  Top Layer w20: v1(1641.89,2334.26) v1@1643.34,2332.82
  other v1: 1739.13,440.76 914.73,453.26 2575,456.74 2960,479.77 1223.48,502.8 2090.61,502.8 1742.68,532.5 913.77,545
KEY1: R11.2 S2.1@2324.87,2039.37 U4.18 | length 549.6
  Top Layer w10: U4.18 2319.01,2103.27 2324.87,2097.41 2324.87,2039.37 2324.87,1980.18 2362.69,1942.36 R11.2
KEY2: R21.2 S3.1 U4.19 | length 737.2
  Top Layer w10: U4.19 2478.38,2122.95 2492.14,2109.18 2492.14,2069.8 2506.29,2069.8 2508.24,2067.86 2508.24,2053.71 S3.1@2510.18,2051.77 ; S3.1 2491.56,1984.86 2534.06,1942.36 R21.2
KEY3: R22.2 S4.1 U4.39 | length 1326.9
  Top Layer w10: U4.39 1693.06,2182.01 1766.48,2108.59 v1(1869.82,2108.59) ; v2(2630,1946.47) 2632.05,1944.42 R22.2@2693.58,1944.42 ; S4.1 2657.81,1980.19 R22.2@2693.58,1944.42 ; R22.2 2697.51,1944.42 R22.2@2693.58,1944.42
  Bottom Layer w10: v1(1869.82,2108.59) 1895.31,2108.59 2100.91,1902.99 2586.52,1902.99 v2(2630,1946.47)
Net3.3V_1: 3.3V.1 R1.1 | length 90.6
  Top Layer w20: 3.3V.1@2568.24,2901.49 R1.1@2654.72,2901.49
  Top Layer w39.37: 3.3V.1@2564.17,2901.36 2568.11,2901.36 3.3V.1@2568.24,2901.49
Net24V_1: 24V.1 R2.2 | length 86.6
  Top Layer w40: 24V.1 R2.2
NetC1_1: C1.1 C2.2 D1.2 R2.1 U1.1 | length 1287.7
  Top Layer w40: R2.1 795.51,3342.76 D1.2@795.51,3438.98
  Top Layer w59.06: D1.2@795.51,3438.98 797.48,3440.94 D1.2 1122.04,3440.94 C1.1 1175.98,3387.01 C2.2 1405.41,3387.01 1440,3352.41 1440,3001.72 1490.69,2951.04 U1.1@1555.21,2951.04
NetD2_2: D2.2 L1.1 U1.2 | length 1356.7
  Top Layer w39.37: U1.2 1633.36,2934.62 1633.36,2840.17 1678.53,2795 2301.11,2795 2343.26,2837.15 D2.2 2343.26,3182.28 2391.33,3230.35 2467.51,3230.35 L1.1
NetD7_2: D7.2 Q1.3 RL1.4 | length 915.2
  Top Layer w40: Q1.3 2784.69,2531.33 2792.25,2538.89 D7.2 ; 2792.25,2531.33 2792.25,2366.37 2935.07,2223.55 RL1.4
NetP1_1: P1.1 U2.14 | length 983.4
  Bottom Layer w30: P1.1 1309.28,466.25 1309.28,1096.71 U2.14
NetP1_2: P1.2 U2.13 | length 950.6
  Top Layer w30: P1.2 1057.99,328.15 1076.91,347.07 1076.91,441.4 1313.92,678.41 1313.92,1029.4 1252.68,1090.64 1215.35,1090.64 U2.13
NetP1_3: P1.3 U2.12 | length 825
  Top Layer w30: P1.3 957.99,810.63 1142.37,995.01 U2.12
NetP1_4: P1.4 U2.11 | length 800
  Bottom Layer w30: P1.4 857.99,667.9 1085.1,895.01 U2.11
NetP2_1: P2.1 U3.14 | length 1037.7
  Bottom Layer w30: P2.1 2195,520.83 2195,1135 2132.51,1197.49 2090.61,1197.49 U3.14
NetP2_2: P2.2 U3.13 | length 981.5
  Top Layer w30: P2.2 1889.13,389.13 2205,705 2205,1015 2127.51,1092.48 2095.61,1092.48 U3.13
NetP2_3: P2.3 U3.12 | length 849.3
  Top Layer w30: P2.3 1789.13,768.96 2019.14,998.96 U3.12
NetP2_4: P2.4 U3.11 | length 855
  Bottom Layer w30: P2.4 1689.13,678.79 1909.3,898.96 U3.11
NetP3_1: P3.1 R13.1 | length 373.1
  Top Layer w10: P3.1 1270.3,2168.11 1326,2223.81 R13.1
NetP3_2: P3.2 R12.1 | length 315.4
  Top Layer w10: P3.2 1250,2356.03 1250,2457.38 1283.09,2490.47 R12.1
NetP4_1: P4.1 U5.14 | length 1113.5
  Bottom Layer w30: P4.1 2934.96,314.96 3060,440 3060,1143.79 3004.32,1199.47 2960.53,1199.47 U5.14
NetP4_2: P4.2 U5.13 | length 1063.5
  Top Layer w30: P4.2 2734.64,324.29 2734.64,362.26 3133.58,761.2 3133.58,990.37 3023.96,1100 U5.13
NetP4_3: P4.3 U5.12 | length 863.3
  Top Layer w30: P4.3 2625.31,732.95 2892.37,1000 U5.12
NetP4_4: P4.4 U5.11 | length 866.2
  Bottom Layer w30: P4.4 2525.32,637.84 2787.48,900 U5.11
NetP5_3: P5.3 R18.1 | length 134.5
  Top Layer w10: P5.3 307.7,1286.49 440.45,1286.49 R18.1
NetP5_4: P5.4 R19.1 | length 134
  Top Layer w10: P5.4 R19.1
NetP6_3: P6.3 R20.1 | length 134
  Top Layer w10: P6.3 R20.1
NetP6_4: P6.4 R24.1 | length 134
  Top Layer w10: P6.4 R24.1
NetP7_3: P7.3 R27.1 | length 134
  Top Layer w10: P7.3 R27.1
NetP7_4: P7.4 R28.1 | length 139.9
  Top Layer w10: P7.4 R28.1@446.98,2399.21
NetP8_2: P8.2 R29.1 | length 133.3
  Top Layer w10: R29.1 P8.2
NetP9_2: P9.2 R30.1 | length 133.3
  Top Layer w10: R30.1 P9.2
NetP10_2: P10.2 R31.1 | length 192.2
  Top Layer w10: R31.1 3207.33,946.15 3258.41,997.23 P10.2
NetP11_1: P11.1 RL1.2 | length 1925.8
  Top Layer w40: P11.1 3380.75,746.21 3380.75,1753.3 3293.1,1840.96 3293.1,2040.38 3415.07,2162.36 RL1.2
NetP11_2: P11.2 RL1.1 | length 2087.4
  Bottom Layer w40: RL1.1 2843.43,2157.77 2955.07,2157.77 3367.07,1745.77 3367.07,921.08 3155,709.02 3155,573.99 3201.96,527.03 3246.74,527.03 P11.2
NetP11_3: P11.3 RL1.3 | length 1608.3
  Bottom Layer w40: P11.3 3457.5,622.96 3457.5,1862.7 3415.07,1905.13 RL1.3
NetQ1_1: Q1.1 R32.1 | length 447.4
  Top Layer w10: R32.1 2253.93,2491.97 2317.92,2427.98 2455.23,2427.98 2503.99,2476.73 2503.99,2539.08 2535.61,2570.7 Q1.1
NetR4_1: R4.1 U2.2 U2.3 U2.4 | length 324.3
  Top Layer w20: R4.1 U2.4 U2.3 U2.2
NetR5_1: R5.1 U2.5 | length 124.3
  Top Layer w20: R5.1 U2.5
NetR6_1: R6.1 U2.6 | length 124.3
  Top Layer w20: R6.1 U2.6
NetR7_1: R7.1 U3.2 U3.3 U3.4 | length 310.4
  Top Layer w20: R7.1 U3.4 U3.3 U3.2
NetR8_1: R8.1 U3.5 | length 110.5
  Top Layer w10: R8.1 R8.1@1478.9,999.11 ; U3.5@1588.98,999.11 U3.5
  Top Layer w20: R8.1@1478.9,999.11 U3.5@1588.98,999.11
NetR9_1: R9.1 U3.6 | length 110.5
  Top Layer w10: R9.1 R9.1@1478.9,899.12 ; U3.6@1588.97,899.12 U3.6
  Top Layer w20: R9.1@1478.9,899.12 U3.6@1588.97,899.12
NetR14_1: R14.1 U5.2 U5.3 U5.4 | length 302.6
  Top Layer w20: R14.1 2358.32,1099.48 2459.48,1099.48 U5.4 U5.3 U5.2
NetR15_2: R15.2 U4.44 | length 427.3
  Top Layer w10: v1(1501.04,2115.11) 1532.57,2083.58 U4.44 ; v1(1501.36,2295.99) R15.2
  Bottom Layer w10: v1(1501.04,2115.11) 1501.2,2115.27 1501.2,2295.83 v1(1501.36,2295.99)
NetR16_1: R16.1 U5.5 | length 102.2
  Top Layer w20: R16.1 U5.5
NetR17_1: R17.1 U5.6 | length 102.2
  Top Layer w20: R17.1 U5.6
NetR23_2: R23.2 S1.1@1737.74,2488.42 | length 145.3
  Top Layer w30: S1.1@1737.75,2488.43 R23.2
NetR25_2: R25.2 U4.20 | length 334.1
  Top Layer w10: U4.20 2010.32,2142.64 2030,2162.32 R25.2
NetR26_2: R26.2 S2.1@1825.53,2488.42 | length 145.5
  Top Layer w30: R26.2 1825.27,2633.47 1825.27,2488.69 S2.1@1825.53,2488.42
NetS1_2: S1.2@1737.74,2409.68 U4.33 | length 130.1
  Top Layer w10: U4.33 1735.79,2407.73 S1.2@1737.74,2409.68
NetS2_2: S2.2@1825.53,2409.68 U4.28 | length 135.2
  Top Layer w10: S2.2@1825.53,2409.68 1829.47,2409.68 1834.21,2404.94 U4.28
PULSE1: U2.7 U4.41 | length 2033.4
  Top Layer w10: v1(1192.19,1703) 1192.19,1928.16 1425.92,2161.89 1521.59,2161.89 1540.83,2142.64 U4.41
  Bottom Layer w10: U2.7 790,874.02 790,1592.13 900.87,1703 v1(1192.19,1703)
PULSE2: U3.7 U4.46 | length 1463.7
  Top Layer w10: v1(1366.03,1564.05) 1365.36,1564.72 1365.36,1828.09 1581.36,2044.09 1617.56,2044.09 U4.46
  Bottom Layer w10: v1(1366.03,1564.05) 1366.03,1562.72 1410,1518.75 1410,978.09 U3.7
PULSE3: U4.40 U5.7 | length 2762.5
  Top Layer w10: v1(1147.04,1632.28) 1145.86,1633.46 1145.86,1925.42 1402.44,2182.01 1526.92,2182.01 1546.6,2162.32 U4.40
  Bottom Layer w10: v1(1147.04,1632.28) 2011.67,1632.28 2339.53,1304.42 2339.53,920.47 U5.7
RST: R10.2 S1.1@2154.47,2039.93 U4.7 | length 574.2
  Top Layer w10: U4.7 1794.84,1988.35 1800.69,1994.21 1902.74,1994.21 1951.15,1945.79 R10.2@2187.44,1945.79 ; S1.1@2154.47,2039.93 2154.47,1978.76 R10.2@2187.44,1945.79 ; R10.2 2190.87,1942.36 R10.2@2187.44,1945.79
RX1: R19.2 U4.31 | length 2044.8
  Top Layer w10: R19.2 522.3,1389.6 522.3,1442.51 v1(524.79,1445) ; U4.31 1775.16,2233.73 1791.03,2217.86 v1(1791.03,2213.11)
  Bottom Layer w10: v1(524.79,1445) 526.69,1446.9 526.69,1749.75 556.95,1780 1612.59,1780 1791.03,1958.45 v1(1791.03,2213.11)
RX2: R24.2 U4.13 | length 1492.1
  Top Layer w10: R24.2 v1(605,1892.91) ; v1@1686.43,2020.77 1901.63,2020.77 1917.45,2004.96 1952.2,2004.96 U4.13
  Bottom Layer w10: v1(605,1892.91) 1558.56,1892.91 v1(1686.42,2020.77)
RX3: R28.2 U4.22 | length 1677.6
  Top Layer w10: R28.2 v1(625,2399.21) ; v1(1696.42,2217.62) 1771.4,2142.64 1858.74,2142.64 1896.73,2180.63 1926.28,2180.63 1926.56,2180.63 1927.93,2182.01 U4.22
  Bottom Layer w10: v1(625,2399.21) 954.53,2069.69 1514.68,2069.69 1662.62,2217.62 v1(1696.42,2217.62)
SIG: R32.2 R33.2 U4.16 | length 877
  Top Layer w10: U4.16 v1(2030,2063.9) ; v2(2179.46,2564.73) 2182.45,2567.72 2247.01,2567.72 R32.2 R33.2
  Bottom Layer w10: v1(2030,2063.9) 2030,2415.27 v2(2179.46,2564.73)
TX1: R18.2 U4.30 | length 2224.4
  Top Layer w10: R18.2 520.43,1286.49 574.38,1286.49 v1(575,1287.11) ; U4.30 1794.96,2280.31 1794.96,2249.89 1806.95,2237.9 1827.88,2216.96 1840,2216.96 v1(1843.36,2213.6)
  Bottom Layer w10: v1(575,1287.11) 559.06,1303.06 559.06,1740.02 579.59,1760.56 1620.29,1760.56 1841.04,1981.31 1841.04,2211.28 v1(1843.36,2213.6)
TX2: R20.2 U4.12 | length 1618.9
  Top Layer w10: R20.2 582.8,1792.92 605,1770.71 v1(605,1731.78) ; U4.12 1893.48,1945.59 1893.48,1921.37 1913.33,1901.52 1937.15,1901.52 v1(1940.51,1898.16)
  Bottom Layer w10: v1(605,1731.78) 1774.13,1731.78 v1(1940.51,1898.16)
TX3: R27.2 U4.21 | length 1662.8
  Top Layer w10: R27.2 v1(625,2299.21) ; v1(1696.42,2128.26) 1744.88,2079.81 1889.5,2079.81 1898.6,2088.91 1898.6,2140.54 1920.26,2162.2 1952.2,2162.2 U4.21
  Bottom Layer w10: v1(625,2299.21) 625,2295.99 880.99,2040 1534.2,2040 1622.47,2128.26 v1(1696.42,2128.26)
pads on no net: U2.1 U2.10 U3.1 U3.10 U4.1 U4.2 U4.3 U4.4 U4.5 U4.6 U4.15 U4.17 U4.25 U4.26 U4.27 U4.29 U4.32 U4.43 U5.1 U5.10

## Polygon pours and split planes (outlines as drawn)
GND on Top Layer "GND_L01_P000" (solid, pour order 0): 0,3550 10,3560 3545,3560 3545,0 3530,-15 -5,-15
GND on Bottom Layer "GND_L02_P001" (solid, pour order 1): 0,3550 10,3560 3545,3560 3545,0 3530,-15 -5,-15

## Keep-outs
Keep-Out Layer:
  lines w5.91: -0.05,191.19 ccw(c191.14,191.19) 191.14,-0.01 ; 0,181.1 0,3354.33 ; 0,3352.11 cw(c191.2,3352.11) 191.2,3543.31 ; 181.1,0 3350.18,0 ; 188.98,3543.31 3359.01,3542.57 cw(c3359.01,3358.27) 3543.31,3358.27 3543.31,193.13 ; 3352.11,0 ccw(c3352.11,191.2) 3543.31,191.2

## Silkscreen, mask and mechanical layers (free items; w line width, h text height)
Top Overlay:
  text "Designed by Dang Dang Duong" at 1170,508.87 h100

## Text inside footprints (layer, text, board x,y; h text height)
C5: Top Overlay "+" at 3328.53,2686.93 h47.24 r270; Mechanical 15 "+" at 3328.53,2686.93 h47.24 r270
C11: Top Overlay "+" at 990.17,2547.63 h47.24 r180; Mechanical 15 "+" at 990.17,2547.63 h47.24 r180
U2: Top Overlay "ENABLE" at 756.98,1346.01 h40; Top Overlay "M0" at 756.98,1246.49 h40; Top Overlay "M1" at 756.98,1146.01 h40; Top Overlay "M2" at 756.98,1046.01 h40; Top Overlay "RESET" at 756.98,946.49 h40; Top Overlay "SLEEP" at 756.98,846.49 h40; Top Overlay "STEP" at 756.98,746.49 h40; Top Overlay "DIR" at 760.98,652.51 h40; Top Overlay "VMOT" at 1055.98,1347.99 h40; Top Overlay "GND" at 1085.98,1242.99 h40; Top Overlay "B2" at 1120.98,1142.51 h40; Top Overlay "B1" at 1120.98,1042.51 h40; Top Overlay "A1" at 1115.98,932.51 h40; Top Overlay "A2" at 1115.98,832.51 h40; Top Overlay "FAULT" at 1050.98,732.99 h40; Top Overlay "GND" at 1085.98,652.99 h40
U3: Top Overlay "GND" at 1964.13,656.94 h40; Top Overlay "FAULT" at 1929.13,736.94 h40; Top Overlay "A2" at 1994.13,836.46 h40; Top Overlay "A1" at 1994.13,936.46 h40; Top Overlay "B1" at 1999.13,1046.46 h40; Top Overlay "B2" at 1999.13,1146.46 h40; Top Overlay "GND" at 1964.13,1246.94 h40; Top Overlay "VMOT" at 1934.13,1351.94 h40; Top Overlay "DIR" at 1639.13,656.46 h40; Top Overlay "STEP" at 1635.13,750.44 h40; Top Overlay "SLEEP" at 1635.13,850.44 h40; Top Overlay "RESET" at 1635.13,950.44 h40; Top Overlay "M2" at 1635.13,1049.96 h40; Top Overlay "M1" at 1635.13,1149.96 h40; Top Overlay "M0" at 1635.13,1250.44 h40; Top Overlay "ENABLE" at 1635.13,1349.96 h40
U5: Top Overlay "GND" at 2835,657.98 h40; Top Overlay "FAULT" at 2800,737.98 h40; Top Overlay "A2" at 2865,837.5 h40; Top Overlay "A1" at 2865,937.5 h40; Top Overlay "B1" at 2870,1047.5 h40; Top Overlay "B2" at 2870,1147.5 h40; Top Overlay "GND" at 2835,1247.98 h40; Top Overlay "VMOT" at 2805,1352.98 h40; Top Overlay "DIR" at 2510,657.5 h40; Top Overlay "STEP" at 2506,751.48 h40; Top Overlay "SLEEP" at 2506,851.48 h40; Top Overlay "RESET" at 2506,951.48 h40; Top Overlay "M2" at 2506,1051 h40; Top Overlay "M1" at 2506,1151 h40; Top Overlay "M0" at 2506,1251.48 h40; Top Overlay "ENABLE" at 2506,1351 h40